# Altium PCB BaseBoard.PcbDoc (part 2 of 3)
Units mm, origin at the board's own origin, x right, y up, seen from the top; angles counter-clockwise.
Board outline 92 x 56 mm, 4 copper layers (Top Layer, Int2 (Sign), Int3 (Sign), Bottom Layer), stack 1.624 mm thick; 184 components, 118 nets, 788 pads, 409 vias.
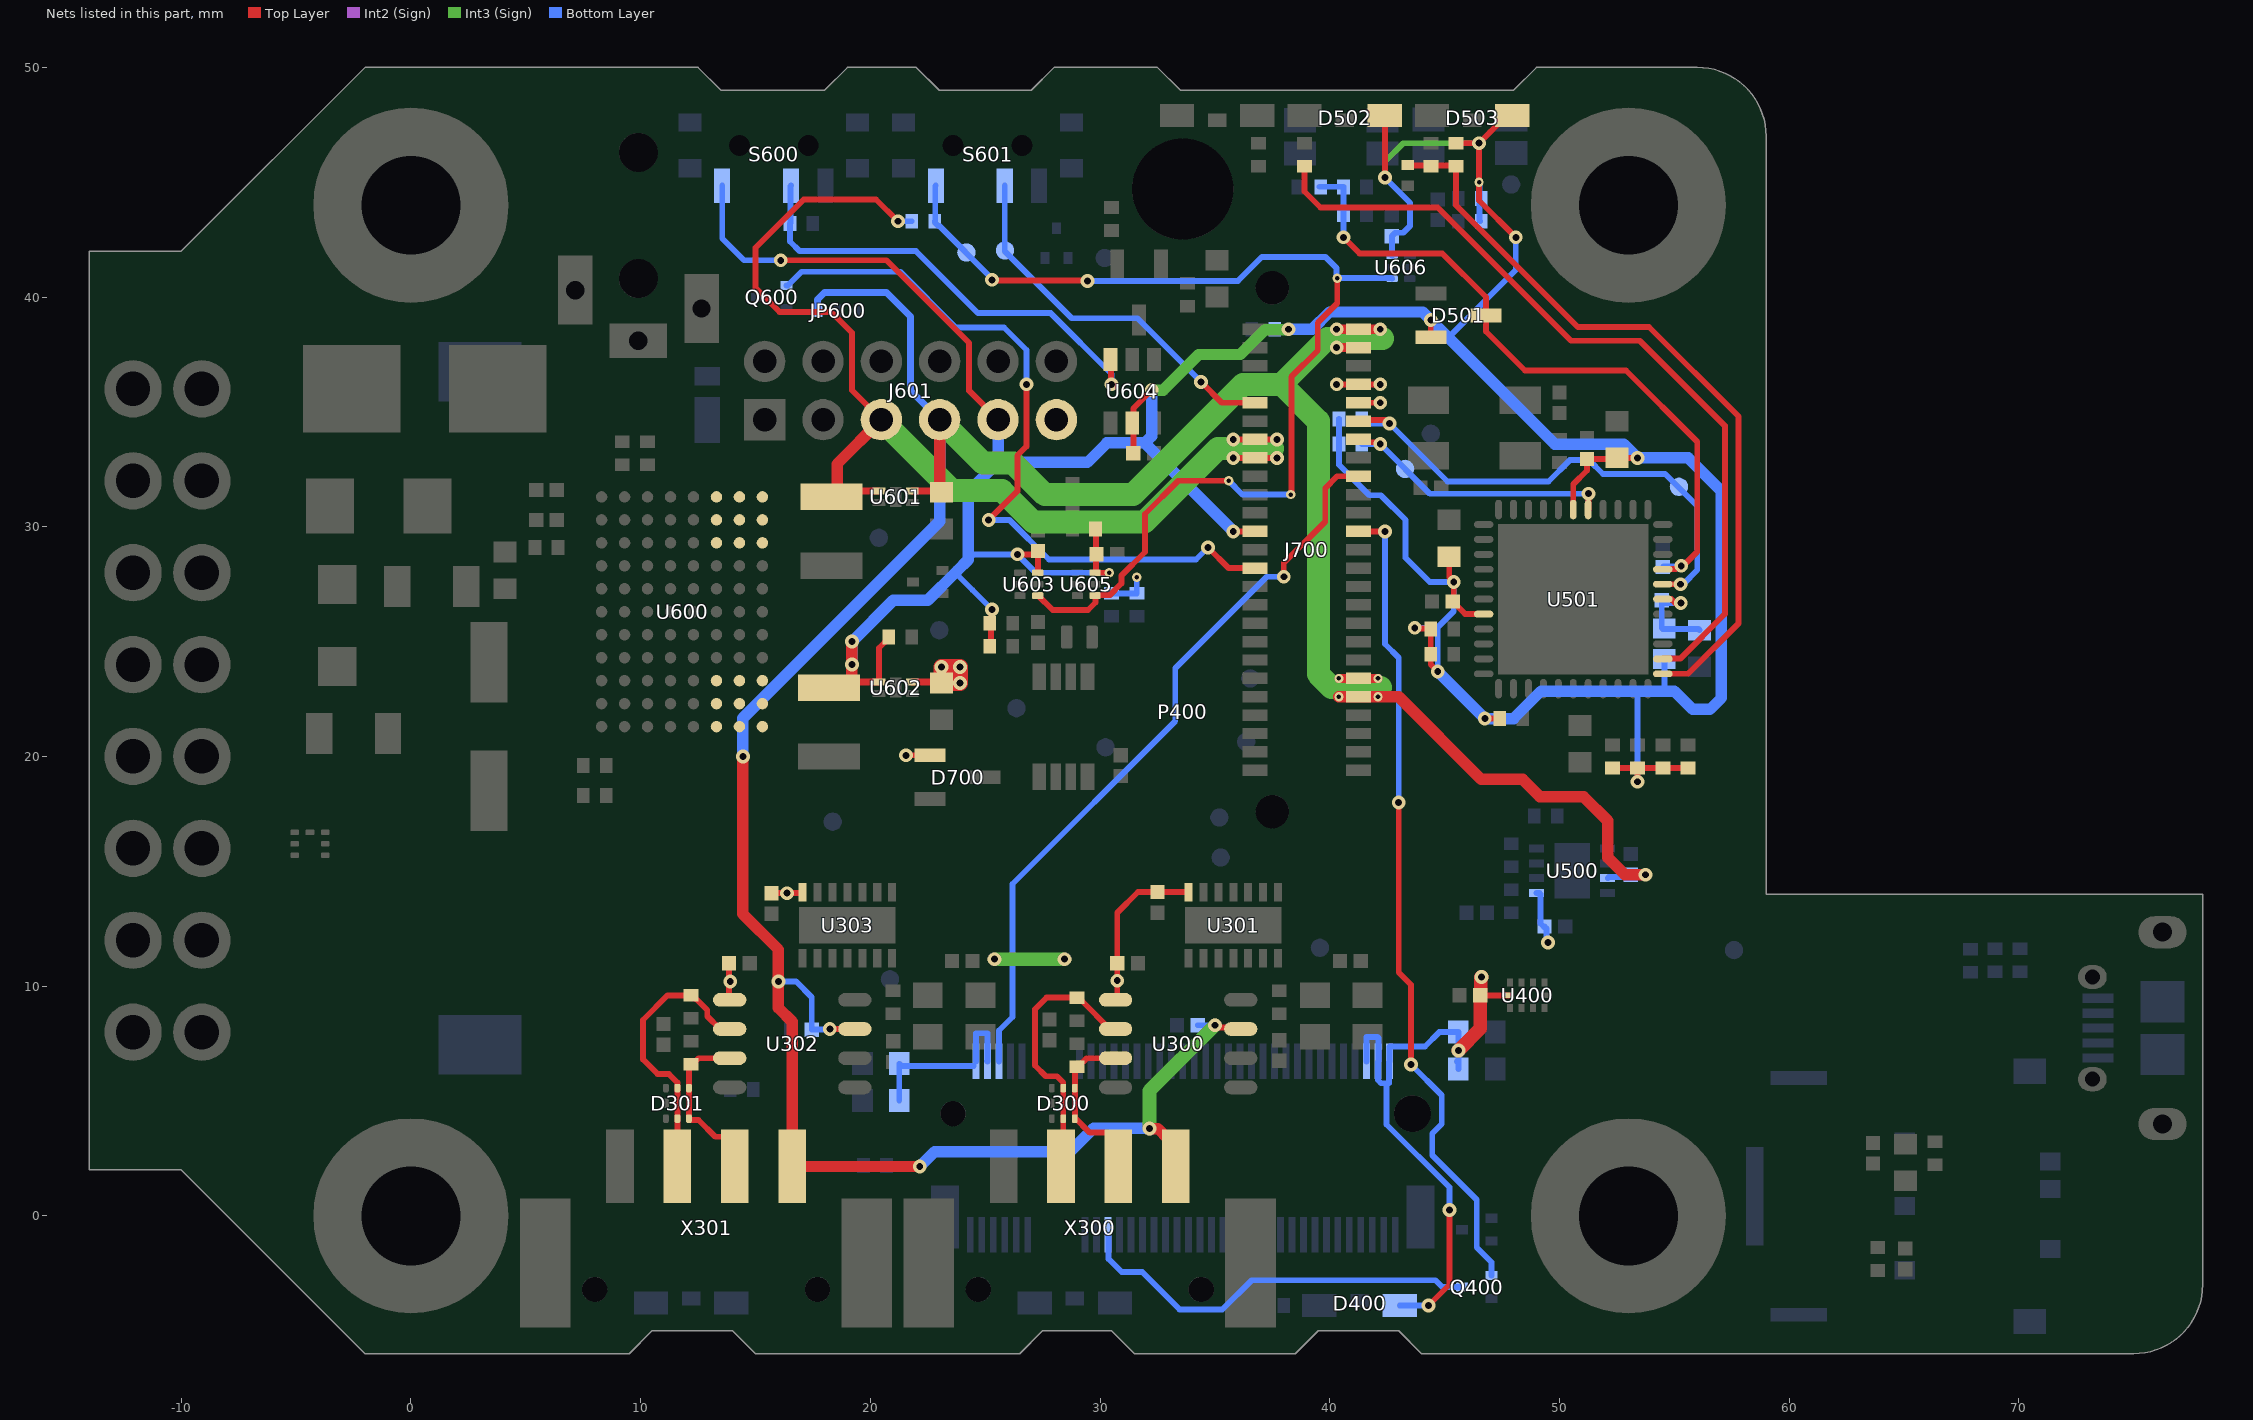
[diagram p4: the nets of this part, all layers, seen from the top]

## Part data
BT700: library part CMP-11274-2, "Batterie Halter (offen) Kreisförmige Scheibe, 20,0mm 1 Zellen SMD (SMT) Tab", Case=Coin, Manufacturer=Keystone, Manufacturer Part Number=1060TR, Operating Temperature max=146°C, Operating Temperature min=-50°C, Assembly=yes, Battery Sizes Accepted=CR2032, ComponentLink1Description="Manufacturer Link", ComponentLink1URL=https://www.keyelco.com/product.cfm/product_id/726, Mounting Type=SMT, No. of Batteries=1
C300 C303 C304 C305 C306 C307 C308 C309 C402 C407 C500 C501 C502 C503 C506 C507 C509 C606 C607 C610 C611 C612 C613 C614 C615 C616 C700: library part CMP-04212-4, "SMD/SMT 0402 6.3V -10% +10% X7R - Multilayer Ceramic Capacitors MLCC", Capacitance=100nF, Capacitance Tolerance neg=-10%, Capacitance Tolerance pos=10%, Case=0402, Dielectric Type=X7R, Manufacturer=MURATA, Manufacturer Part Number=GRM155R70J104KA01#, Operating Temperature max=125°C, Operating Temperature min=-55°C, Voltage Rating=6.3V, Assembly=yes, ComponentLink1Description=Datasheet, ComponentLink1URL=http://psearch.en.murata.com/capacitor/lineup/grm/, IPC Footprint Naming=CAPC1005X050, Mounting Type=SMT
C301 C302 C310 C311 C405: library part CMP-03814-4, "SMD/SMT 0402 25V -2% +2% C0G - Multilayer Ceramic Capacitors MLCC", Capacitance=27pF, Capacitance Tolerance neg=-2%, Capacitance Tolerance pos=2%, Case=0402, Dielectric Type="C0G (NP0)", Manufacturer=MURATA, Manufacturer Part Number=GRM1555C1E270GA01#, Operating Temperature max=125°C, Operating Temperature min=-55°C, Voltage Rating=25V, Assembly=yes, ComponentLink1Description=Datasheet, ComponentLink1URL=http://psearch.en.murata.com/capacitor/lineup/grm/, IPC Footprint Naming=CAPC1005X050, Mounting Type=SMT
C400 C403 C510 C605 C609: library part CMP-06061-3, "SMT 10µF ±20% 6,3 V Keramikkondensatoren X5R", Capacitance=10µF, Capacitance Tolerance neg=-20%, Capacitance Tolerance pos=20%, Case=0603, Dielectric Type=X5R, Manufacturer=MURATA, Manufacturer Part Number=GRM188R60J106ME84, Operating Temperature max=85°C, Operating Temperature min=-55°C, Voltage Rating=6,3V, Assembly=yes, ComponentLink1Description=Datasheet, ComponentLink1URL=https://search.murata.co.jp/Ceramy/image/img/A01X/G101/ENG/GRM188R60J106ME84-01.pdf, IPC Footprint Naming=CAPC1608X080, Mounting Type=SMT
C401 C404 C406 C504 C505 C508 C617: library part CMP-02997-5, "SMD/SMT 0603 10V -10% +10% X7R - Multilayer Ceramic Capacitors MLCC", Capacitance=1µF, Capacitance Tolerance neg=-10%, Capacitance Tolerance pos=10%, Case=0603, Dielectric Type=X7R, Manufacturer=MURATA, Manufacturer Part Number=GRM188R71A105KA61#, Operating Temperature max=125°C, Operating Temperature min=-55°C, Voltage Rating=10V, Assembly=yes, ComponentLink1Description=Datasheet, ComponentLink1URL=http://psearch.en.murata.com/capacitor/lineup/grm/, IPC Footprint Naming=CAPC1608X080, Mounting Type=SMT
C511 C512: library part CMP-03766-4, "SMD/SMT 0402 25V -2% +2% C0G - Multilayer Ceramic Capacitors MLCC", Capacitance=15pF, Capacitance Tolerance neg=-2%, Capacitance Tolerance pos=2%, Case=0402, Dielectric Type="C0G (NP0)", Manufacturer=MURATA, Manufacturer Part Number=GRM1555C1E150GA01#, Operating Temperature max=125°C, Operating Temperature min=-55°C, Voltage Rating=25V, Assembly=yes, ComponentLink1Description=Datasheet, ComponentLink1URL=http://psearch.en.murata.com/capacitor/lineup/grm/, IPC Footprint Naming=CAPC1005X050, Mounting Type=SMT
C600: library part CMP-04572-5, "WCAP-ASLL Aluminium Electrolytic Capacitor (SMD Type): -55°C to 105°, Reflow Soldering, Low Impedance", Capacitance=47µF, Capacitance Tolerance neg=-20%, Capacitance Tolerance pos=20%, Case="Radial SMD", Leak Current=23,5µA, Manufacturer="WUERTH ELEKTRONIK", Manufacturer Part Number=865060645008, Operating Temperature max=105°C, Operating Temperature min=-55°C, Ripple Current max=185mA, Ripple Frequency=100kHz, Voltage Rating=50V, Assembly=yes, ComponentLink1Description=Datasheet, ComponentLink1URL=http://katalog.we-online.de/pbs/datasheet/865060645008.pdf, Impedance=0,68, Mounting Type=SMT
C601: library part CMP-11004-1, "SMD/SMT 0603 50V -10% +10% X7R - Multilayer Ceramic Capacitors MLCC", Capacitance=100nF, Capacitance Tolerance neg=-10%, Capacitance Tolerance pos=10%, Case="0603 [1608]", Dielectric Type=X7R, Manufacturer="WUERTH ELEKTRONIK", Manufacturer Part Number=885012206095, Operating Temperature max=125°C, Operating Temperature min=-55°C, Voltage Rating=50V, Assembly=yes, ComponentLink1Description=Datasheet, ComponentLink1URL=https://www.we-online.de/katalog/datasheet/885012206095.pdf, IPC Footprint Naming=CAPC1608X080, Mounting Type=SMT
C602 C603: library part CMP-05401-6, "Multilayer Ceramic Capacitors MLCC - SMD/SMT 10uF 50Volts 10%", Capacitance=10µF, Capacitance Tolerance neg=-10%, Capacitance Tolerance pos=10%, Case="1206 [3216]", Dielectric Type=X5R, Manufacturer=MURATA, Manufacturer Part Number=GRT31CR61H106KE01, Operating Temperature max=85°C, Operating Temperature min=-55°C, Voltage Rating=50V, Assembly=yes, ComponentLink1Description=Datasheet, ComponentLink1URL=https://psearch.en.murata.com/capacitor/product/GRT31CR61H106KE01%23.html, IPC Footprint Naming=CAPC3216X160, Mounting Type=SMT
C604 C608: library part CMP-10010-2, "100µF ±20% 16V Ceramic Capacitor X5R 1210 (3225 Metric)", Capacitance=100µF, Capacitance Tolerance neg=-20%, Capacitance Tolerance pos=20%, Case="1210 [3225]", Dielectric Type=X5R, Manufacturer="TAIYO YUDEN", Manufacturer Part Number=EMK325ABJ107MM-T, Operating Temperature max=85°C, Operating Temperature min=-55°C, Voltage Rating=16V, Assembly=yes, ComponentLink1Description="Manufacturer Link", ComponentLink1URL=https://www.yuden.co.jp/productdata/catalog/mlcc06_e.pdf, Mounting Type=SMT
D300 D301 D500: library part CMP-04945-2, "2-Line BUS-Port ESD-Protection - Flow Through Design", Breakdown Voltage=7.9V, Case=6-UDFN, ESD Voltage Air=0V, Manufacturer=VISHAY, Manufacturer Part Number=VBUS052CD-FAH-GS08, Operating Temperature max=125°C, Operating Temperature min=-40°C, Assembly=yes, ComponentLink1Description=Datasheet, ComponentLink1URL=http://www.vishay.com/docs/81881/vbus052c.pdf, ESD Voltage Contact=0V, Mounting Type=SMT, No. of Channels=2
D400 D602 D603: library part CMP-11201-1, "LED, RED, Right Angle SMD 3.2*1.0mm WL-SMSW SMT Mono-color Side view Waterclear", Case=1305, Colour LED1=red, Forward Current LED1=25mA, Forward Voltage LED1=2V, Manufacturer="WUERTH ELEKTRONIK", Manufacturer Part Number=155124RS73200, Operating Temperature max=85°C, Operating Temperature min=-40°C, Reverse Voltage LED1=5V, Assembly=yes, ComponentLink1Description=Datahseet, ComponentLink1URL=https://katalog.we-online.de/led/datasheet/155124BS73200.pdf, Luminous Intensity LED1=150mcd, Mounting Type=SMT, View Angle=120°, Wavelength LED1=470nm
D501 D605: library part CMP-07202-6, "Dual Silicon Schottky Diodes in series configuration", Case=SOT-23, Forward Current=250mA, Forward Voltage=750mV, Manufacturer=INFINEON, Manufacturer Part Number=BAT64-04, Operating Temperature max=150°C, Operating Temperature min=-55°C, Reverse Voltage=40V, Assembly=yes, ComponentLink1Description=Datasheet, ComponentLink1URL=https://www.infineon.com/dgdl/Infineon-BAT64SERIES-DataSheet-v01_00-EN.pdf?fileId=5546d4626d66c2b1016d73f85ab420ed, Mounting Type=SMT
D502 D503 D504: library part CMP-11200-1, "LED, GREEN, Right Angle SMD 3.2*1.0mm WL-SMSW SMT Mono-color Side view Waterclear", Case=1305, Colour LED1=green, Forward Current LED1=25mA, Forward Voltage LED1=3.4V, Manufacturer="WUERTH ELEKTRONIK", Manufacturer Part Number=155124VS73200, Operating Temperature max=85°C, Operating Temperature min=-40°C, Reverse Voltage LED1=5V, Assembly=yes, ComponentLink1Description=Datahseet, ComponentLink1URL=https://katalog.we-online.de/led/datasheet/155124BS73200.pdf, Luminous Intensity LED1=150mcd, Mounting Type=SMT, View Angle=120°, Wavelength LED1=470nm
D600: library part CMP-02539-000025-1, "DIODE SCHOTTKY 40V 1.5A SMA", Capacitance=134pF, Forward Current=1.5A, Manufacturer=Vishay, Max Junction Temp=+150°C, Max Repetitive Reverse Voltage=40V, Max Surge Forward Current=140A, Package=95400, Peak Reverse Current=0.5mA, Temperature="-40°C to +150°C", Temperature Range Low=-40°C, Automotive=No, Category=Diode, ComponentLink2Description=Datasheet, ComponentLink2URL=http://www.vishay.com/docs/94141/vs-15mq040ntrpbf.pdf, Device Class L1="Discrete Semiconductors", Device Class L2=Diodes, Device Class L3="Schottky Diodes", Digikey Description="DIODE SCHOTTKY 40V 1.5A SMA", Footprint Url=http://www.vishay.com/docs/95400/sma.pdf, Height=2.29mm, Lead Free=Yes, Manufacturer Part Number=VS-15MQ040NTRPBF, Mouser Description="Schottky Diodes & Rectifiers 2.1 Amp 40 Volt", Octopart=https://octopart.com/vs-15mq040ntrpbf-vishay-44340959, Reverse Voltage=40V, RoHS=TRUE, Standoff Height=0mm, Temperature Range High=+150°C
D601: library part CMP-06267-5, "TVS DIODE unidirectional 24V DO214AA SMB", Breakdown Voltage=28.1V, Case="DO-214AA (SMB)", ESD Voltage Air=15kV, ESD Voltage Contact=8kV, Manufacturer=STMICROELECTRONICS, Manufacturer Part Number=SMBJ24A-TR, Operating Temperature max=150°C, Operating Temperature min=-55°C, Reverse Standoff Voltage=24V, Assembly=yes, Channel Type=unidirectional, ComponentLink1Description=Datasheet, ComponentLink1URL=https://www.st.com/resource/en/datasheet/smbj.pdf, Mounting Type=SMT, No. of Channels=1
D604: library part CMP-08971-000009-1, "DIODE SCHOTTKY 20V 1A TUMD2M", Forward Current=1A, Manufacturer=Rohm, Max Junction Temp=+125°C, Max Repetitive Reverse Voltage=30V, Max Surge Forward Current=3A, Package=TUMD2M, Peak Reverse Current=200uA, Reverse Voltage=20V, Automotive=No, Category=Diode, ComponentLink2Description=Datasheet, ComponentLink2URL=https://www.rohm.com/datasheet/RBE1VAM20A/rbe1vam20atr-e, Device Class L1="Discrete Semiconductors", Device Class L2=Diodes, Device Class L3="Schottky Diodes", Digikey Description="DIODE SCHOTTKY 20V 1A TUMD2M", Height=0.8mm, Lead Free=Yes, Manufacturer Part Number=RBE1VAM20ATR, Octopart=https://octopart.com/rbe1vam20atr-rohm-50418626, RoHS=TRUE
D700: library part CMP-07595-3, "Dual Silicon Schottky Diodes", Case=SOT-23, Forward Current=250mA, Forward Voltage=750mV, Manufacturer=INFINEON, Manufacturer Part Number=BAT64-05, Operating Temperature max=150°C, Operating Temperature min=-55°C, Reverse Voltage=40V, Assembly=yes, ComponentLink1Description=Datasheet, ComponentLink1URL=https://www.infineon.com/dgdl/Infineon-BAT64SERIES-DataSheet-v01_00-EN.pdf?fileId=5546d4626d66c2b1016d73f85ab420ed, Mounting Type=SMT
F600: library part CMP-00370-4, "Sicherung 2A - NANO2 > 154 OMNI-BLOK - Fuse and Holder Combination", Case="154 Series", Fuse Current=2A, Manufacturer=LITTELFUSE, Manufacturer Part Number=154002.DRT., Operating Temperature max=125°C, Operating Temperature min=-55°C, Voltage Rating AC=125V, Assembly=yes, Blow Characteristic=T, ComponentLink1Description="Manufacturer Link", ComponentLink1URL=http://www.littelfuse.de/products/fuse-blocks-fuseholders-and-fuse-accessories/fuse-blocks/154.aspx, Mounting Type=SMT, Voltage Rating DC=125V
FB500: library part CMP-07546-1, "120 Ohms @ 100MHz 1 Power Line Ferrite Bead 0603 (1608 Metric) 800mA 180mOhm", Case=0603, Current Rating DC=800mA, Manufacturer=MURATA, Manufacturer Part Number=BLM18AG121SN1D, Operating Temperature max=125°C, Operating Temperature min=-55°C, Resistance DC=0,18, Assembly=yes, ComponentLink1Description="Manufacturer Link", ComponentLink1URL=https://datasheet.octopart.com/BLM18AG121SN1D-Murata-datasheet-135086654.pdf, Impedance=120R, Impedance 100MHz="120R (100MHz)", Mounting Type=SMT
J400: library part CMP-1502-03249-1, "Micro USB 2.0 Type AB Receptacle WR-COM, Horizontal, SMT", Contact Resistance=30mOhm, Manufacturer="Wurth Elektronik", Operating Temperature=-40to85degC, Rated Current=1.8A, Working Voltage=30VAC, Connector Type=MicroUSB2.0TypeAB, Datasheet URL=https://katalog.we-online.de/em/datasheet/629105150921.pdf, Gender=Receptacle, Manufacturer URL=http://www.we-online.de, Mounting Technology=SMT, Orientation=Horizontal, Package Reference=629105150921, Packaging=TapeandReel, Part Number=629105150921, Publisher=WurthElektronik
J600: library part CMP-1502-00182-1, "DC Power Jack Connector Low Profile WR-DC, Male, Right Angled, THT, 2 A, 12 V", Manufacturer="Wurth Elektronik", Operating Temperature=-40to85degC, Rated Current=2A, Working Voltage=12V, Datasheet URL=http://katalog.we-online.de/em/datasheet/694101308002.pdf, Gender=Male, Manufacturer URL=http://www.we-online.de, Mounting Technology=THT, Opening Diameter=2.8mm, Orientation=RightAngled, Package Reference=694101308002, Packaging=Bag, Part Number=694101308002, Plug Inner Diameter=0.75mm, Plug Outer Diameter=2.35mm, Publisher=WurthElektronik
J601: library part CMP-11266-2, "Connector Header Through Hole, Right Angle 12 position 0.100\" (2.54mm)", Current Rating=3A, Manufacturer="Amphenol ICC", Manufacturer Part Number=10129382-912002BLF, Operating Temperature max=105°C, Operating Temperature min=-55°C, Voltage Rating=110V, Assembly=yes, ComponentLink1Description="Manufacturer Link", ComponentLink1URL=https://www.amphenol-icc.com/econostik-10129382910004blf.html, Gender=male, Mounting Type=THT, Number of Pins=12, Number of Rows=2, Pitch Spacing=2,54mm
J700: library part CMP-11271-4, "50 Poliger Steckverbinder Sockel, äußere Abdeckungskontakte Oberflächenmontage Gold", Current Rating=1,1A, Manufacturer=Samtec, Manufacturer Part Number=ERF8-025-07.0-L-DV-TR, Operating Temperature max=150°C, Operating Temperature min=-40°C, Voltage Rating=200V, Assembly=yes, ComponentLink1Description="Manufacturer Link", ComponentLink1URL=https://www.samtec.com/de/products/erf8-025-07.0-l-dv-k-tr, Gender=Female, Mounting Type=SMT, Number of Pins=50, Number of Rows=2, Pitch Spacing=800µm, System=Connector
JP500: library part CMP-04662-6, Case=-, Operating Temperature max=0°C, Assembly=no, ComponentLink1Description=Datasheet, Manufacturer=-, Manufacturer Part Number=-, Mounting Type=SMT, Operating Temperature min=0°C
JP600: library part CMP-04522-6, Case="0402 Triple", Manufacturer=YAGEO, Manufacturer Part Number=RC0402JR-070RL, Operating Temperature max=0°C, Assembly="between 1 and 2", ComponentLink1Description=Datasheet, Mounting Type=SMT, Operating Temperature min=0°C
MP700 MP701 MP702 MP703: library part CMP-05269-3, "PCB mounting hole to build PE- connection, hole diameter 4.3mm", Case="4.3mm hole", Assembly=no
P400: library part CMP-06102-6, "The M.2 (Next Generation Form Factor) product line is a natural transition from the Mini Card and Half Mini Card to a smaller form factor in both size and volume.", Current Rating=500mA, Manufacturer="TE CONNECTIVITY", Manufacturer Part Number=2199119-3, Operating Temperature max=80°C, Operating Temperature min=-40°C, Voltage Rating=50V, Assembly=yes, ComponentLink1Description=Datasheet, Gender=male, Mounting Type=SMT, Number of Pins=67, Number of Rows=2, Pitch Spacing=500µm
Q400 Q401 Q600 Q601 Q602: library part CMP-11252-1, "N-CHANNEL ENHANCEMENT MODE FIELD EFFECT TRANSISTOR", Case=SOT523, Drain Current DC=150mA, Drain Source On Resistance=2, Drain Source Voltage=60V, Gate Source Voltage=20V, Manufacturer="DIODES INCORPORATED", Manufacturer Part Number=2N7002T-7-F, Operating Temperature max=150°C, Operating Temperature min=-55°C, Threshold Voltage=2V, Assembly=yes, ComponentLink1Description="Manufacturer Link", ComponentLink1URL=https://www.diodes.com/assets/Datasheets/ds30301.pdf, IPC Footprint Naming=SOT523, Mounting Type=SMT, Transistor Polarity=N-Channel
R300 R301 R303 R304 R404 R500 R501: library part CMP-00705-5, "RC0402 series chip resistor with lead-free terminations made by thick film process", Case=0402, Current Rating=1A, Manufacturer=YAGEO, Manufacturer Part Number=RC0402FR-0760R4L, Operating Temperature max=155°C, Operating Temperature min=-55°C, Power Rating=62.5mW, Resistance=60R4, Resistance Tolerance=1%, Resistor Element Type="Thick Film", Temperature Coefficient=±100ppm/K, Voltage Rating=50V, Assembly=yes, ComponentLink1Description=Datasheet, ComponentLink1URL=http://www.yageo.com/documents/recent/PYu-RC0402_51_RoHS_L_6.pdf, IPC Footprint Naming=RESC1005X04, Mounting Type=SMT
R302 R305 R514 R613: library part CMP-06970-3, "RC0402 series chip resistor with lead-free terminations made by thick film process", Case=0402, Current Rating=1A, Manufacturer=ROHM, Manufacturer Part Number=MCR01MZPF100, Operating Temperature max=155°C, Operating Temperature min=-55°C, Power Rating=63mW, Resistance=100R, Resistance Tolerance=1%, Resistor Element Type="Thick Film", Temperature Coefficient=±100ppm/K, Voltage Rating=50V, Assembly=yes, ComponentLink1Description=Datasheet, ComponentLink1URL=https://www.rohm.com/site-search?p_p_id=rohmsitesearch_WAR_rohmcomboportlet&p_p_lifecycle=1&p_p_state=normal&_rohmsitesearch_WAR_rohmcomboportlet_action=siteSearchAction&p_auth=xKaajgv6, eADM Name=8905501369, IPC Footprint Naming=RESC1005X04, Mounting Type=SMT
R306 R307 R504 R505 R506 R509: library part CMP-00958-6, "RC0402 series chip resistor with lead-free terminations made by thick film process", Case=0402, Current Rating=1A, Manufacturer=YAGEO, Manufacturer Part Number=RC0402FR-0710KL, Operating Temperature max=155°C, Operating Temperature min=-55°C, Power Rating=62.5mW, Resistance=10k, Resistance Tolerance=1%, Resistor Element Type="Thick Film", Temperature Coefficient=±100ppm/K, Voltage Rating=50V, Assembly=yes, ComponentLink1Description=Datasheet, ComponentLink1URL=http://www.yageo.com/documents/recent/PYu-RC0402_51_RoHS_L_6.pdf, IPC Footprint Naming=RESC1005X04, Mounting Type=SMT
R400 R401 R405 R700 R701: library part CMP-00920-7, "RC0402 series chip resistor with lead-free terminations made by thick film process", Case=0402, Current Rating=1A, Manufacturer=YAGEO, Manufacturer Part Number=RC0402FR-074K7L, Operating Temperature max=155°C, Operating Temperature min=-55°C, Power Rating=62.5mW, Resistance=4.7k, Resistance Tolerance=1%, Resistor Element Type="Thick Film", Temperature Coefficient=±100ppm/K, Voltage Rating=50V, Assembly=yes, ComponentLink1Description=Datasheet, ComponentLink1URL=https://www.yageo.com/upload/media/product/productsearch/datasheet/rchip/PYu-RC_Group_51_RoHS_L_10.pdf, IPC Footprint Naming=RESC1005X04, Mounting Type=SMT
R402 R508 R511 R513 R515: library part CMP-00843-5, "RC0402 series chip resistor with lead-free terminations made by thick film process", Case=0402, Current Rating=1A, Manufacturer=YAGEO, Manufacturer Part Number=RC0402FR-071KL, Operating Temperature max=155°C, Operating Temperature min=-55°C, Power Rating=62.5mW, Resistance=1k, Resistance Tolerance=1%, Resistor Element Type="Thick Film", Temperature Coefficient=±100ppm/K, Voltage Rating=50V, Assembly=yes, ComponentLink1Description=Datasheet, ComponentLink1URL=http://www.yageo.com/documents/recent/PYu-RC0402_51_RoHS_L_6.pdf, IPC Footprint Naming=RESC1005X04, Mounting Type=SMT
R403 R600 R601 R602: library part CMP-01017-5, "RC0402 series chip resistor with lead-free terminations made by thick film process", Case=0402, Current Rating=1A, Manufacturer=YAGEO, Manufacturer Part Number=RC0402FR-0733KL, Operating Temperature max=155°C, Operating Temperature min=-55°C, Power Rating=62.5mW, Resistance=33k, Resistance Tolerance=1%, Resistor Element Type="Thick Film", Temperature Coefficient=±100ppm/K, Voltage Rating=50V, Assembly=yes, ComponentLink1Description=Datasheet, ComponentLink1URL=http://www.yageo.com/documents/recent/PYu-RC0402_51_RoHS_L_6.pdf, IPC Footprint Naming=RESC1005X04, Mounting Type=SMT
R502 R606 R607 R611 R612: library part CMP-01136-6, "RC0402 series chip resistor with lead-free terminations made by thick film process", Case="0402 [1005]", Current Rating=1A, Manufacturer=YAGEO, Manufacturer Part Number=RC0402FR-07330KL, Operating Temperature max=155°C, Operating Temperature min=-55°C, Power Rating=62,5mW, Resistance=330k, Resistance Tolerance=1%, Resistor Element Type="Thick Film", Temperature Coefficient=±100ppm/K, Voltage Rating=50V, Assembly=yes, ComponentLink1Description=Datasheet, ComponentLink1URL=http://www.yageo.com/documents/recent/PYu-RC0402_51_RoHS_L_6.pdf, IPC Footprint Naming=RESC1005X04, Mounting Type=SMT
R503: library part CMP-01051-5, "RC0402 series chip resistor with lead-free terminations made by thick film process", Case=0402, Current Rating=1A, Manufacturer=YAGEO, Manufacturer Part Number=RC0402FR-0762KL, Operating Temperature max=155°C, Operating Temperature min=-55°C, Power Rating=62.5mW, Resistance=62k, Resistance Tolerance=1%, Resistor Element Type="Thick Film", Temperature Coefficient=±100ppm/K, Voltage Rating=50V, Assembly=yes, ComponentLink1Description=Datasheet, ComponentLink1URL=http://www.yageo.com/documents/recent/PYu-RC0402_51_RoHS_L_6.pdf, IPC Footprint Naming=RESC1005X04, Mounting Type=SMT